# Altium PCB BB.PcbDoc (part 3 of 5)
Units mil, origin at the board's own origin, x right, y up, seen from the top; angles counter-clockwise.
Board outline 6700 x 3500 mil, 4 copper layers (Component Side, Ground Plane, Power Plane, Solder Side), stack 61.197 mil thick; 420 components, 358 nets, 1634 pads, 962 vias.
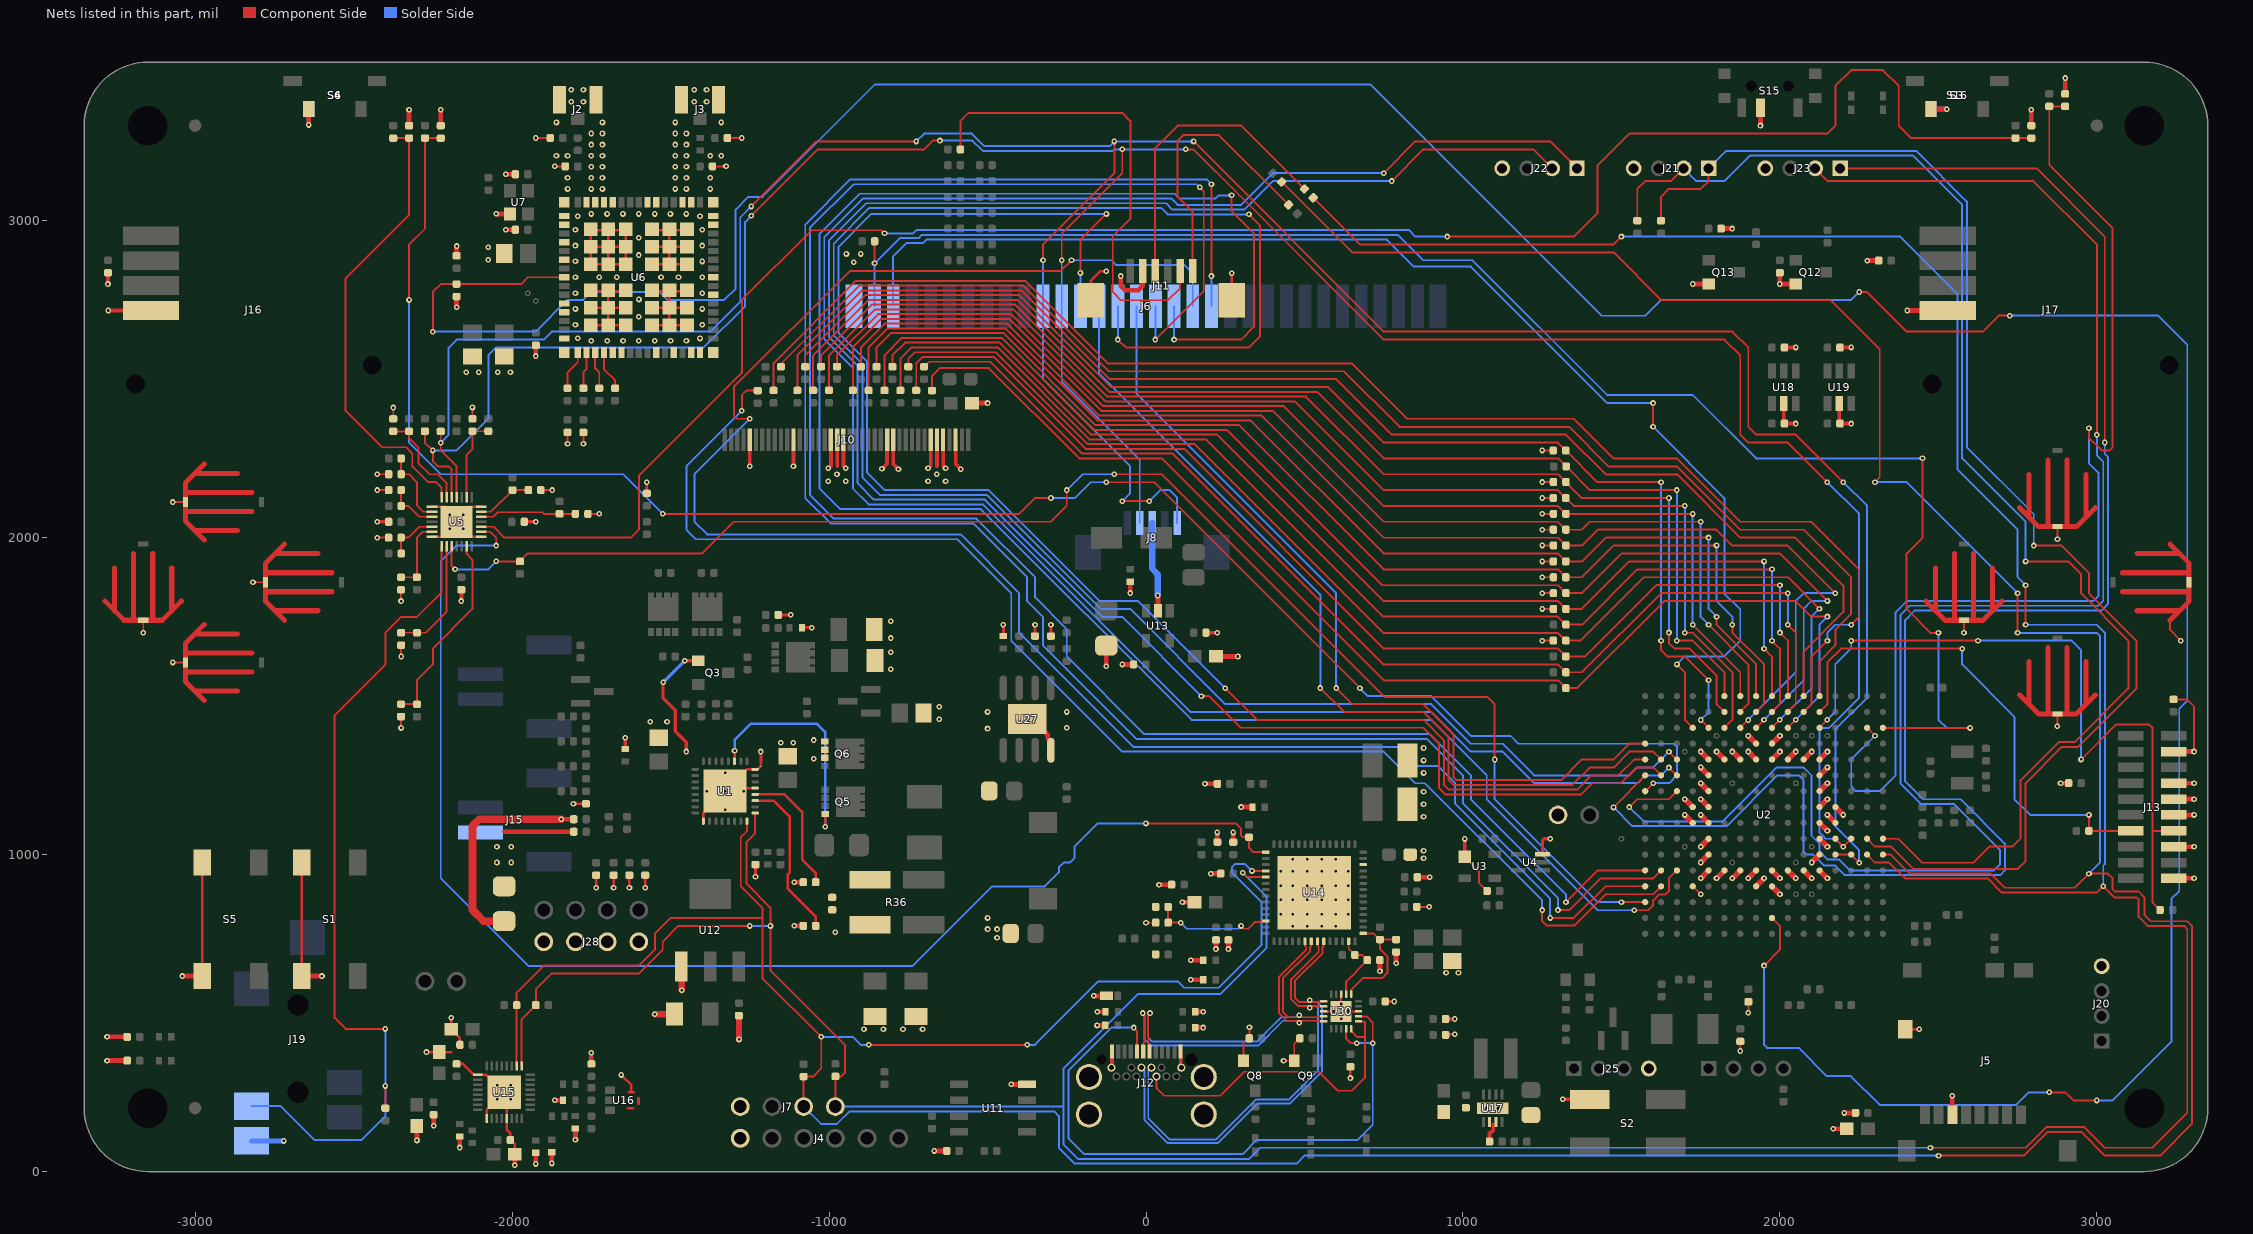
[diagram p5: the nets of this part, all layers, seen from the top]

## Via types
v1: diameter 18, hole 8, Component Side to Solder Side, tented both sides, 907 vias
v2: diameter 19.68, hole 8, Component Side to Solder Side, 32 vias
v3: diameter 24, hole 10, Component Side to Solder Side, tented both sides, 9 vias
v4: diameter 18, hole 8, Component Side to Solder Side, 6 vias
v5: diameter 19.68, hole 7.87, Component Side to Solder Side, 4 vias
v6: diameter 19.68, hole 8, Component Side to Solder Side, tented both sides, 4 vias

## Nets (pads, with @x,y where several pads share a name; then routed paths per layer and width w, separated by ;. In a path a pad name is that pad's centre, name@x,y a point inside that pad or via, vN(x,y) a via of type N, cw(c..) or ccw(c..) an arc to the next point about the centre after c; other vN are vias at no path point) (continued)
AUX_C_P: C98.1 R55.2 U14.54 | length 383.2
  Component Side w6: C98.1@70,835 R55.2@70,785.2 v1(109.37,785.2) ; v1(300,774.87) 308.94,765.94 321.88,765.94 343.12,787.18 359.06,787.18 362.91,791.02 U14.54@377.72,791.02
  Solder Side w6: v1(109.37,785.2) 128.47,766.1 291.23,766.1 v1(300,774.87)
AUX_N: C99.2
AUX_P: C98.2
BAT_SCL: J7.4 R56.2 R59.2 R124.1 U1.17 U2.B11 U14.47 U15.9 | length 14082
  Component Side w6: U15.9@-1970.06,332.84 -1970.06,479.94 R56.2@-1925,525 -1925,575 -1875,625 -1599.33,625 -1524.53,699.8 -1524.53,725.67 -1475.32,774.87 v1(-1250,774.87) ; U1.17@-1233.19,1131.1 -1233.19,1066.81 -1260,1040 -1260,907.62 -1185,832.62 v1(-1185,775) -1185,635 -950,400 -950,311.43 -961.24,300.2 R59.2@-980,300.2 J7.4@-980,205 ; v1(304.88,942.6) 318.66,928.82 U14.47@377.72,928.82 ; R124.1@527.84,3072.16 675,2925 1475,2925 v1(1500,2950) ; U2.B11@2275,1000 2300,975 2345,975 2395,925 2655,925 2700,880 3000,880 v1(3020,900) 3020.28,900 3055.28,865 3125,865 3131.46,858.54 3131.46,803.54 3160.02,774.98 3275,774.98 3285,764.98 3285,185 3175,75 3025.33,75 2960.33,140 2840.16,140 2775.16,75 v1(2475,75) ; v1(2775,1725) v1(2775,1850)
  Solder Side w6: v1(-1250,774.87) -1188.26,774.87 -1186.69,773.31 v1(-1185,775) ; J7.4@-980,205 -260,205 ; v1(304.88,942.6) 379.69,867.8 379.69,705.13 234.56,560 -25.68,560 -260,325.68 -260,205 ; v1(1500,2950) 2379.9,2950 2560,2769.9 2560,2215 2749.73,2025.27 2749.73,1875.27 v1(2775,1850) ; v1(2475,75) 360,75 325,40 -215,40 -260,85 -260,205 ; v1(2775,1725) 3000,1725 3025.2,1699.8 3025.2,970.31 3020,965.12 v1(3020,900)
BAT_SDA: J7.3 R57.2 R58.2 R125.1 U1.16 U2.A11 U14.46 U15.10 | length 14862.4
  Component Side w6: U15.10@-1985.81,332.84 R57.2@-1985.81,525 -1985.81,564.19 -1900,650 -1599.67,650 -1549.33,700.34 -1549.33,750.67 -1500,800 -1249.68,800 -1210,800 ; U1.16@-1258.78,1105.51 -1258.78,1074.42 -1278.46,1054.73 -1278.46,900.39 -1210,831.93 -1210,800 ; J7.3@-1080,205 R58.2@-1080,299.68 -1050.32,299.68 -1024.53,325.47 v1(-1024.53,425) -1210,610.47 -1210,800 ; v1(-875,399.68) v1(-375,399.68) ; v1(334.41,948.5) U14.46@377.72,948.5 ; R125.1@427.84,3122.16 650,2900 1475,2900 1625.98,2749.02 2160.98,2749.02 2315,2595 2315,2190 v1(2300,2175) ; U2.A11@2325,1000 2350,1000 2410,940 2665,940 2709.65,895.35 2930.26,895.35 v1(2974.9,940) 3035.02,940 3049.67,925.35 3049.67,890.74 3056.87,883.54 3131.46,883.54 3150,865 3150,810 3170.24,789.76 3285.21,789.76 3300,774.98 3300,150.63 3199.37,50 3025,50 2950,125 2845,125 2770,50 v1(2500.51,50) ; v1(2749.73,1699.66) v1(2749.73,1824.84)
  Solder Side w6: J7.3@-1080,205 -1025,150 -975,150 -935,190 -290,190 -275,175 -275,75 -225,25 475,25 500,50 v1(2500.51,50) ; v1(-1024.53,425) -925,425 -899.68,399.68 v1(-875,399.68) ; v1(-375,399.68) -350.39,399.68 -150.08,600 99.98,600 119.98,580 230,580 364.8,714.8 364.8,850.08 270.79,944.09 270.79,960.79 280,970 312.91,970 v1(334.41,948.5) ; v1(2300,2175) 2399.57,2175 v1(2749.73,1824.84) ; v1(2749.73,1699.66) 2999.33,1699.66 3010,1689 3010,975.1 v1(2974.9,940)
BGND: C18.1 C19.1 C22.1 C24.1 C26.1 C27.1 C35.1 C40.2 C41.2 J15.2 J28.1 J28.2 J28.3 J28.4 NT1.2 R33.1 R34.1 R38.2 R39.2 R40.2 R41.2 R67.2 U1.9 U1.21 U1.24 U1.33 | length 892.9
  Component Side w8: v1(-1806.38,1160.63) C24.1@-1766.85,1160.63 ; v1(-1734.8,895.35) R38.2@-1734.8,934.88 ; v1(-1679.8,895.35) R39.2@-1679.8,934.88 ; v1(-1629.8,895.35) R40.2@-1629.8,934.88 ; v1(-1579.8,895.35) R41.2@-1579.8,934.88 ; U1.9@-1396.57,1105.51 -1396.57,1131.1 U1.33@-1327.68,1200 U1.33@-1317.83,1209.84 ; U1.21@-1233.19,1209.84 U1.33@-1317.83,1209.84 ; U1.24@-1233.19,1268.9 -1258.78,1268.9 U1.33@-1317.83,1209.84 ; v1(-1232.07,930.12) R67.2@-1232.07,968.31 ; U1.24@-1225.83,1268.9 NT1.2@-1215,1279.72
  Component Side w10: C18.1@-1643.11,1333.27 v1(-1643.11,1368.7)
  Component Side w15: -2024.06,1072.05 R33.1@-1805.43,1072.05 ; v1(-1110,775.12) C41.2@-1081.5,775.12 ; v1(-1110,912.91) C40.2@-1081.5,912.91
  other v1: -2047.68,975 -2002.68,975 -2047.68,1025 -2002.68,1025 -1152.52,1352.91 -1112.52,1352.91 -1564.21,1419.06 -1511.06,1419.06 -651.85,1426.69 -651.85,1466.69 -805.16,1584.84 -805.16,1637.99 -805.16,1683.27 -805.16,1736.42
BT_EN: R75.1 U2.H15 U6.41 | length 11146.4
  Component Side w6: v1(-2250,2650) -2250,2775.1 -2225.1,2800 R75.1@-2175,2800 -1971.44,2800 -1950,2821.44 U6.41@-1835.24,2821.44 ; v1(1950,650) 2000,700 2000,775 U2.H15@1975,800 ; v1(2250.08,2775) 2274.67,2775 2399.66,2650 2639.83,2650 2690.02,2700.2 v1(2725,2700.2) ; v1(2850,250) 2900,250 2925.75,224.25 v1(3000,224.25)
  Solder Side w6: v1(-2250,2650) -1925.75,2650 -1825.75,2750 -1775,2750 -1750,2775 -1535,2775 -1510,2750 -1330.56,2750 -1295,2785.56 -1295,3035 -1255,3075 -1210,3075 -855,3430 707.99,3430 1437.99,2700 1575,2700 1625,2750 2225.08,2750 v1(2250.08,2775) ; v1(1950,650) 1950,399.76 1959.76,390 2059.67,390 2148.4,301.27 2223.81,301.27 2315.08,210 2745,210 2785,250 v1(2850,250) ; v1(2725,2700.2) 3193.43,2700.2 3285,2608.62 3285,1485 3260,1460 3260,885 3235,860 3235,409.84 3049.41,224.25 v1(3000,224.25)
BT_UART_CTSN: R72.2 U6.50 | length 126.1
  Component Side w6: R72.2@-1825,2471.44 -1825,2521.44 -1792.91,2553.52 U6.50@-1792.91,2584.23
BT_UART_RTSN: R73.2 U6.51 | length 116.8
  Component Side w6: R73.2@-1775,2471.44 -1775,2521.44 -1765.35,2531.08 U6.51@-1765.35,2584.23
BT_UART_RXD: R71.2 U6.52 | length 118.1
  Component Side w6: U6.52@-1737.8,2584.23 -1737.8,2534.23 -1725,2521.44 R71.2@-1725,2471.44
BT_UART_TXD: R70.2 U6.53 | length 127.4
  Component Side w6: U6.53@-1710.24,2584.23 -1710.24,2531.67 -1675,2496.44 R70.2@-1675,2471.44
BTN_A: C58.2 R118.1 U5.27 | length 321.3
  Component Side w6: C58.2@-2375,2335.32 R118.1@-2325,2335.32 -2325,2314.06 -2295.37,2284.43 -2295.37,2235.37 -2260,2200 -2235,2200 -2206.5,2171.5 U5.27@-2206.5,2127.76
BTN_B: C59.2 R119.1 U5.20 | length 177
  Component Side w6: U5.20@-2097.24,2081.5 -2067.11,2081.5 R119.1@-1998.6,2150 C59.2@-1948.6,2150
BTN_DOWN: C53.2 R112.1 U5.6 | length 230
  Component Side w6: C53.2@-2350.31,1875 R112.1@-2300.32,1875 -2300.32,1999.69 -2281.5,2018.5 U5.6@-2252.76,2018.5
BTN_LB: C92.2 R65.1 U2.T7 | length 5722.4
  Component Side w6: v1(-2325,2750) -2325,2925 -2274.69,2975.31 R65.1@-2274.69,3260.63 C92.2@-2225,3260.63 C92.2@-2224.69,3260.63 ; v1(-1525.04,2075.14) -399.94,2075.14 -350,2125.08 v1(-300,2125.08) ; v1(-125.08,2174.57) 25.84,2174.57 v1@675.2,1525.2 ; U2.T7@1575,1200 v1(1600.41,1225.41)
  Solder Side w6: v1(-2325,2750) -2325,2300 -2225,2200 -1649.9,2200 v1(-1525.04,2075.14) ; v1(-300,2125.08) -300.08,2125 -224.57,2125 -175,2174.57 v1(-125.08,2174.57) ; v1(675,1525) 700.13,1499.87 900.13,1499.87 1025.33,1374.67 1150,1374.67 1175,1349.67 1665,1349.67 1675.17,1339.5 1675.17,1250.36 1650.22,1225.41 v1(1600.41,1225.41)
BTN_LEFT: C54.2 R113.1 U5.2 | length 239.4
  Component Side w6: R113.1@-2350,2250 C54.2@-2350,2200 -2325,2200 -2300.32,2175.31 -2300.32,2101.81 -2280,2081.5 U5.2@-2252.76,2081.5
BTN_LT: C50.2 R109.1 U5.28 | length 1449.9
  Component Side w6: R109.1@-2375,3260.63 C50.2@-2325,3260.63 -2325,3017.97 -2525,2817.97 -2525,2400 -2410,2285 -2334.67,2285 -2315,2265.33 -2315,2225 -2265,2175 -2240,2175 -2222.24,2157.24 U5.28@-2222.24,2127.76
BTN_RB: C93.2 R66.1 U2.B3 | length 3445
  Component Side w6: U2.B3@2275,1400 v1(2300,1375) ; C93.2@2900,3360.63 R66.1@2849.67,3360.63 2849.67,3176.08 3049.67,2976.08 3049.67,2284.67 3040,2275 3015,2275 2975,2315 v1(2975,2345)
  Solder Side w6: v1(2300,1375) 2225.16,1300.16 2225.16,1214.84 2240,1200 2314.64,1200 2365,1250.36 2365,1764.37 2400.96,1800.33 2990,1800.33 3005,1815.33 3005,2205 2975,2235 v1(2975,2345)
BTN_RIGHT: C55.2 R114.1 U5.5 | length 161.7
  Component Side w6: R114.1@-2350.31,1950 C55.2@-2350.31,2000 -2327.76,2000 -2293.5,2034.25 U5.5@-2252.76,2034.25
BTN_RT: C51.2 R110.1 U5.17 | length 6097.6
  Component Side w6: U5.17@-2097.24,2034.25 -2058.31,2034.25 -2024.06,2000 -1624.9,2000 -1599.9,2025 -1599.9,2195.02 -1275,2519.92 -1275,2750 -1055.32,2969.69 -834.68,2969.69 v1(-825,2960) ; v1(950,2950) 1350,2950 1425,3025 1425,3175 1525,3275 2150.08,3275 2175,3299.92 2175,3425 2225,3475 2325,3475 2375,3425 2375,3300 2414.37,3260.63 R110.1@2743.11,3260.63 C51.2@2793.11,3260.63
  Solder Side w6: v1(-825,2960) -734.25,2960 -724.25,2970 171.59,2970 830,2970 850,2950 v1(950,2950)
BTN_SELECT: C56.2 R117.1 U5.13 | length 627.9
  Component Side w6: C56.2@-2350.31,1474.67 -2300.32,1474.67 -2300.32,1549.69 -2250,1600 -2250,1650 -2125,1775 -2125,1930 -2143.5,1948.5 U5.13@-2143.5,1972.24
BTN_START: C67.2 R115.1 U5.9 | length 376.7
  Component Side w6: C67.2@-2350,1700 R115.1@-2300,1700 -2273.11,1700 -2206.5,1766.61 U5.9@-2206.5,1972.24
BTN_UP: C52.2 R111.1 U5.3 | length 161.4
  Component Side w6: C52.2@-2350,2150 R111.1@-2350,2100 -2327.76,2100 -2293.5,2065.75 U5.3@-2252.76,2065.75
BTN_X: C60.2 R121.1 U5.23 | length 265.5
  Component Side w6: U5.23@-2143.5,2127.76 -2143.5,2260.75 -2125.06,2279.19 C60.2@-2125.06,2335.63 R121.1@-2075.06,2335.63
BTN_Y: C61.2 R122.1 U5.19 | length 305.2
  Component Side w6: U5.19@-2097.24,2065.75 -2059.11,2065.75 -2044.86,2080 -1905,2080 -1900,2075 R122.1@-1850,2075 C61.2@-1800,2075
C_CC1: C97.2 R116.2 U14.13 U30.12 | length 232.2
  Component Side w6: U30.12@631.06,560.12 631.06,599.49 C97.2@698.58,667.01 682.83,682.76 R116.2@659.21,682.76 639.53,702.44 U14.13@639.53,726.06
C_CC2: C28.2 R120.2 U14.15 U30.11 | length 377.8
  Component Side w6: U30.11@646.81,560.12 646.81,573.58 683.23,610 745,610 761.57,626.57 761.57,679.31 737.95,702.93 R120.2@737.95,731.97 ; U14.15@684.8,751.65 716.3,751.65 735.98,731.97 R120.2@737.95,731.97 ; C28.2@789.13,731.97 R120.2@737.95,731.97
C_USB_B_N: J12.B7 U14.9 U30.16 | length 1420
  Component Side w6: U30.16@560.2,536.5 545.89,536.5 544.01,534.62 522.54,534.62 v4(517.04,540.12) 511.54,534.62 483.92,534.62 470,548.54 470,601.99 556.94,688.93 556.94,707.91 560.79,711.75 U14.9@560.79,726.06
  Solder Side w6: J12.B7@-14.65,327.64 -4.9,317.89 -4.9,162.93 68.51,89.51 226.49,89.51 351.97,215 454.97,215 555,315.03 555,519.78 540.16,534.62 522.54,534.62 v4(517.04,540.12)
C_USB_B_P: J12.B6 U14.8 U30.17 | length 1380.3
  Component Side w6: U14.8@541.1,726.06 541.1,711.75 544.94,707.91 544.94,693.9 458,606.96 458,543.57 478.95,522.62 511.54,522.62 v4(517.04,517.12) 522.54,522.62 544.01,522.62 545.89,520.75 U30.17@560.2,520.75
  Solder Side w6: J12.B6@16.85,327.64 7.1,317.89 7.1,167.9 73.49,101.51 221.51,101.51 347,227 450,227 543,320 543,514.81 535.19,522.62 522.54,522.62 v4(517.04,517.12)
C_USB_T_N: J12.A7 U14.7 U30.19 | length 1116
  Component Side w5: v1@477.82,486.88 v1(483.82,492.88) 489.81,486.88 543.51,486.88 545.89,489.25 U30.19@560.2,489.25
  Component Side w6: J12.A7@10.94,379.21 10.94,403.96 7.1,407.8 7.1,494.5 v4(12.6,500) ; v1@477.82,486.88 449.42,486.88 432,504.3 432,609.26 517.57,694.83 517.57,707.91 521.42,711.75 U14.7@521.42,726.06
  Solder Side w5: 382.91,443.22 426.56,486.88 477.82,486.88 v1(483.82,492.88)
  Solder Side w6: v4(12.6,500) 7.1,494.5 7.1,422.9 20,410 349.69,410 379.69,440
C_USB_T_P: J12.A6 U14.6 U30.20 | length 1160.4
  Component Side w5: v1@477.81,475.88 v1(483.82,469.88) 489.82,475.88 543.51,475.88 545.89,473.5 U30.20@560.2,473.5
  Component Side w6: v4(-10.4,500) -4.9,494.5 -4.9,407.8 -8.74,403.96 J12.A6@-8.74,379.21 ; v1@477.81,475.88 443.45,475.88 420,499.33 420,614.23 505.57,699.8 505.57,707.91 501.73,711.75 U14.6@501.73,726.06
  Solder Side w5: 388.17,431.51 432.53,475.88 477.82,475.88 v1(483.82,469.88)
  Solder Side w6: v4(-10.4,500) -4.9,494.5 -4.9,417.93 11.51,401.51 15.03,398 354.66,398 358.17,401.51 388.17,431.51
CART_DETECT_N: J6.31 R44.1 U2.A3 | length 5128.7
  Component Side w6: v1(-856.3,2865.63) R44.1@-856.3,2935 ; U2.A3@2325,1400 2325.67,1400.67 2326.67,1399.67 v1(2600,1399.67) ; v1(2449.9,2250) 2449.9,1999.57 2399.66,1949.33 2399.66,1774.9 2474.57,1700 2475.02,1700.46 2475.48,1700 2475.73,1700.24 2476.3,1699.66 v1(2500.02,1699.66)
  Solder Side w6: J6.31@-856.4,2730 v1@-856.4,2865.63 ; v1(-856.3,2865.63) -776.93,2945 -716.9,2945 -706.9,2955 795,2955 875,2875 1030,2875 1455,2450 1725,2450 1925,2250 v1(2449.9,2250) ; v1(2500.02,1699.66) 2500.02,1425.65 2526,1399.67 v1(2600,1399.67)
CART_DONE_N: J6.15 U2.P12 | length 6367.6
  Component Side w6: v1(88.48,2625) 300,2625 340.39,2665.39 340.39,2959.92 270,3030.32 v1(270,3080) ; v1(1540,824.49) 1584.49,824.49 1600,840 1600,855 1619.61,874.61 1639.51,874.61 1649.59,884.69 1649.59,924.59 U2.P12@1675,950
  Solder Side w6: v1(88.48,2625) J6.15@88.48,2730 ; v1(270,3080) 230,3080 220,3070 105,3070 90,3085 -902.71,3085 -1030.2,2957.51 -1030.2,2155.2 -965,2090 -521.36,2090 143.88,1424.76 900.24,1424.76 1075,1250 1075,1175 1425.51,824.49 v1(1540,824.49)
CART_INIT_N: J6.13 U2.R12 | length 6055.1
  Component Side w6: v1(206.59,2825.2) v1(206.59,3115) ; v1(1299.63,825) 1335.14,825 1435.14,925 1600,925 U2.R12@1625,950
  Solder Side w6: J6.13@206.59,2730 v1(206.59,2825.2) ; v1(206.59,3115) 191.59,3130 -932.73,3130 -1075.2,2987.53 -1075.2,2124.94 -995.26,2045 -545.08,2045 -375,1874.92 -375,1800 -325,1750 -325,1660 -30,1365 885,1365 1000,1250 1000,1162.7 1299.63,863.07 v1(1299.63,825)
CART_PGM_N: J6.16 U2.T12 | length 6141.9
  Component Side w6: v1(29.43,2625) 182.2,2777.77 182.2,3092.78 v1(169.98,3105) ; v1(1325,850.08) 1424.92,950 U2.T12@1575,950
  Solder Side w6: v1(29.43,2625) J6.16@29.43,2730 ; v1(169.98,3105) 159.98,3115 -922.75,3115 -1060.2,2977.55 -1060.2,2135.49 -984.7,2060 -535,2060 -350.08,1875.08 -350.08,1811.42 -250,1711.34 -250,1625.22 -4.78,1380 455,1380 895,1380 1025,1250 1025,1175 1325,875 v1(1325,850.08)
CART_REQ_N: J6.30 U2.N3 | length 4096.1
  Component Side w6: v1(1599.8,2349.61) v1@1599.8,2424.06 ; v1(1599.8,2424.67) v1@1600.41,2424.06 ; v1@1674.8,1600.34 1700,1575.14 1700,1425 U2.N3@1725,1400
  Solder Side w6: J6.30@-798.59,2740 -798.59,2886.41 -755,2930 -703.33,2930 -693.33,2940 760,2940 845,2855 1024.8,2855 1455.14,2424.67 v1(1599.8,2424.67) ; v1(1599.8,2349.61) 1825,2124.41 1825,1823.4 1874.76,1773.64 1874.76,1675 1824.76,1625 1700.17,1625 v1(1675.17,1600)
CART_RST_N: J6.14 U2.T13 | length 5981.9
  Component Side w6: v1(-1250,2375) -1290.28,2375 -1300,2384.72 -1300,2475.36 -933.82,2841.54 -268.46,2841.54 v1(-235,2875) ; v1(1275,800.12) 1350.26,800.12 1450.14,900 U2.T13@1575,900
  Solder Side w6: v1(-1250,2375) -1425,2200 -1425,2050 -1385,2010 -584.89,2010 -400.08,1825.19 -400.08,1700.08 -40,1340 465,1340 795.24,1340 855.51,1279.72 920.28,1279.72 975,1225 975,1160.31 1275,860.31 v1(1275,800.12) ; v1(-235,2875) -108.39,2875 -93.39,2860 121.75,2860 147.54,2834.21 J6.14@147.54,2730
CC1: J12.A5 U30.4 U30.7 | length 2069.9
  Component Side w6: v1(-38.74,454.21) -28.43,443.9 J12.A5@-28.43,379.21 ; U30.4@631.06,449.88 631.06,419.25 645.32,405 v1(665.32,405) ; U30.7@670.43,489.25 696.06,489.25 715.32,470 v1(715.32,405)
  Solder Side w6: v1(-38.74,454.21) -109.06,454.21 -244.06,319.21 -244.06,104.06 -195,55 305,55 350,100 668.05,100 715.32,147.27 v1(715.32,405) v1(665.32,405)
CC2: J12.B5 U30.5 U30.6 | length 1030.4
  Component Side w6: J12.B5@32.6,300.08 32.6,264.92 58.31,239.21 234.53,239.21 ; 234.49,239.17 234.53,239.21 ; 235,239.21 234.53,239.21 ; U30.5@646.81,449.88 646.81,443.5 665.32,425 690.32,425 ; U30.6@670.43,473.5 686.81,473.5 690.32,470 690.32,425 ; 234.53,239.21 310.32,315 545.32,315 605.32,255 649.65,255 690.32,295.67 690.32,425
DP_HPD: U14.26
EMU0: J13.13 R181.2 U2.E2 | length 1584.1
  Component Side w6: U2.E2@2125,1450 2150,1475 2150,1607.13 2192.87,1650 v1@2574.85,1650 ; R181.2@2975,1074.67 2975.33,1075 3099.67,1075 J13.13@3100,1074.67 ; R181.2@2975,1075 v1@2975,1125
  Solder Side w6: v1(2574.85,1649.67) 2574.85,1600.15 2740,1435 2740,1175 2790,1125 v1(2974.9,1125)
EMU1: J13.14 R182.2 U2.E3 | length 2326.4
  Component Side w6: U2.E3@2124.67,1400 v1(2149.67,1425) ; v1(2225,1675) v1(2625,1675) ; v1@2950.33,1300 3060.33,1410 3165.33,1410 3175,1400.33 3175,1074.67 ; R182.2@3199.37,825 3175,849.37 3175,1074.67 ; J13.14@3242.91,1074.67 3175,1074.67
  Solder Side w6: v1(2149.67,1425) 2174.67,1450 2174.67,1600 2225,1650.33 v1(2225,1675) ; v1(2625,1675) 2920.07,1675 2950.03,1645.03 v1(2950.03,1300.24)
GND: C8.1 C9.1 C10.1 C11.1 C12.1 C13.1 C14.1 C23.1 C28.1 C29.1 C30.1 C31.1 C32.1 C36.2 C37.2 C42.1 C45.1 C46.1 C47.1 C48.1 C49.1 C50.1 C51.1 C52.1 C53.1 C54.1 C55.1 C56.1 C57.1 C58.1 C59.1 C60.1 C61.1 C62.1 C67.1 C68.1 C69.2 C70.2 C71.1 C72.1 C73.1 C74.1 C75.1 C76.1 C77.1 C78.1 C79.1 C80.1 C82.1 C83.1 C84.1 C85.1 C86.1 C87.1 C88.1 C89.1 C90.1 C91.1 C92.1 C93.1 C96.1 C97.1 C100.1 C101.1 C102.1 C103.1 C104.1 C105.1 C107.1 C109.1 C110.1 C111.1 C112.1 C113.1 C114.1 C115.1 C121.1 C122.1 C123.1 C124.1 C125.1 C126.1 D7.2 J1.2 J2.1 J2.2 J3.1 J3.2 J4.1 J5.6 J5.9 J6.32 J7.1 J8.3 J10.3 J10.5 J10.6 J10.7 J10.13 J10.14 J10.21 J10.22 J10.23 J10.29 J10.36 J11.2 J11.MP1 J11.MP2 J12.A1 J12.A12 J12.B1 J12.B12 J12.M1 J12.M2 J12.M3 J12.M4 J13.4 J13.8 J13.10 J13.12 J13.16 J13.20 J16.4 J17.4 J19.1 J20.4 J21.4 J22.4 J23.4 J25.4 L2.1 L3.1 L5.1 L6.1 NT1.1 Q3.1 Q6.1 Q6.2 Q6.3 Q8.2 Q9.2 Q12.2 Q13.2 R6.2 R7.2 R8.2 R9.2 R10.2 R11.2 R12.2 R13.2 R14.2 R15.2 R16.2 R27.2 R34.2 R35.1 R45.1 R52.2 R55.1 R60.1 R75.2 R76.2 R77.1 R78.1 R105.2 R106.2 R107.2 R129.2 R131.2 R132.2 R137.1 R148.1 R149.1 R154.2 R156.1 R159.2 R160.2 R161.2 R162.2 R164.2 R166.2 R168.2 R170.2 R183.2 S1.3 S1.4 S2.3 S3.2 S4.2 S5.3 S5.4 S6.1 S7.2 S8.2 S9.2 S10.2 S11.2 S12.2 S13.2 S14.2 S15.2 S16.1 U2.D8 U2.D9 U2.E5 U2.E6 U2.E7 U2.E8 U2.E9 U2.E10 U2.E11 U2.E12 U2.F5 U2.F12 U2.G5 U2.G12 U2.H4 U2.H5 U2.H12 U2.H13 U2.J4 U2.J5 U2.J12 U2.J13 U2.K5 U2.K12 U2.L5 U2.L12 U2.M5 U2.M6 U2.M7 U2.M8 U2.M9 U2.M10 U2.M11 U2.M12 U2.N8 U2.N9 U2.N13 U3.1 U4.3 U5.1 U5.7 U5.15 U5.21 U5.29 U6.1 U6.7 U6.9 U6.15 U6.16 U6.17 U6.19 U6.20 U6.23 U6.24 U6.28 U6.29 U6.30 U6.31 U6.33 U6.34 U6.35 U6.37 U6.39 U6.44 U6.45 U6.48 U6.49 U6.54 U6.55 U6.59 U6.61 U6.63 U6.64 U6.G1 U6.G2 U6.G3 U6.G4 U6.G5 U6.G6 U6.G7 U6.G8 U6.G9 U6.G10 U6.G11 U6.G12 U6.G13 U6.G14 U6.G15 U6.G16 U6.G17 U6.G18 U6.G19 U6.G20 U6.G21 U6.G22 U6.G23 U6.G24 U6.G25 U6.G26 U6.G27 U6.G28 U6.G29 U6.G30 U6.G31 U6.G32 U6.G33 U6.G34 U6.G35 U6.G36 U7.2 U11.4 U12.1 U13.2 U14.57 U15.17 U15.25 U15.29 U15.33 U16.4 U17.2 U17.3 U17.9 U18.2 U19.2 U27.4 U27.9 U30.8 U30.13 U30.18 U30.21@615.32,505 | length 14524.4
  Component Side w6: v1(-3163.78,1699.5) S12.2@-3163.78,1739.25 ; v1(-3070.58,1606.3) S10.2@-3030.83,1606.3 ; v1(-3070.58,2112.21) S14.2@-3030.83,2112.21 ; v1(-2817.63,1859.25) S13.2@-2777.87,1859.25 ; v1(-2425.32,2000) C55.1@-2389.68,2000 ; v1(-2425,2150) C52.1@-2389.37,2150 ; v1(-2425,2200) C54.1@-2389.37,2200 ; C58.1@-2375,2374.69 v1(-2375,2410.32) ; v1(-2350.31,1399.67) C56.1@-2350.31,1435.3 ; v1(-2350.31,1800) C53.1@-2350.31,1835.63 ; v1(-2350,1625) C67.1@-2350,1660.63 ; C60.1@-2125.06,2375 v1(-2125.06,2410.63) ; v1(-1925,3260.81) L3.1@-1879.37,3260.81 ; C59.1@-1909.23,2150 v1(-1873.6,2150) ; v1(-1865,3171.44) L2.1@-1832.28,3171.44 ; v1(-1825,2296.44) R77.1@-1825,2332.07 ; v1(-1775,2296.44) R78.1@-1775,2332.07 ; C61.1@-1760.63,2075 v1(-1725,2075) ; L5.1@-1367.72,3171.44 v1(-1325,3171.44) ; L6.1@-1320.63,3260.81 v1(-1275,3260.81) ; v1(0,784.96) 30.39,784.96 R55.1@30.63,785.2 ; Q8.2@307.6,349.49 307.6,402.72 326.38,421.5 v1(326.38,455.1) ; v1(434,349.49) Q9.2@467.6,349.49 467.6,402.72 R159.2@486.38,421.5 ; U30.18@560.2,505 v1(591.69,505) v1(615.32,505) ; U30.13@615.32,560.12 v1(615.32,528.62) v1(615.32,505) ; U30.8@670.43,505 v1(638.94,505) v1(615.32,505) ; R164.2@854.37,835 v1(893.74,835) ; U3.1@1005.51,992.54 1050,948.05 1050,910.94 R52.2@1075.94,885 ; v1(1250,1675) R16.2@1285.2,1675 ; v1(1250,1925) R12.2@1285.2,1925 ; v1(1250,2025) R10.2@1285.2,2025 ; v1(1250,2125) R8.2@1285.2,2125 ; v1(1250,2275) R6.2@1285.2,2275 ; v1(1250.43,1775) R15.2@1285.63,1775 ; v1(1250.43,1824.84) R14.2@1285.63,1824.84 ; v1(1250.43,1875) R13.2@1285.63,1875 ; v1(1250.43,1975.43) R11.2@1285.63,1975.43 ; v1(1250.43,2075.14) R9.2@1285.63,2075.14 ; v1(1250.43,2175.33) R7.2@1285.63,2175.33 ; U2.N13@1725,900 v1(1749.9,875.1) ; v1(1875,380.32) R60.1@1875,410.63 ; v1(1900.41,500.75) C86.1@1900.41,535.63 ; v1(2580.51,1699.5) S8.2@2580.51,1739.25 ; v1(2875.33,1405) 2875.33,1443.52 S9.2@2875.79,1443.98 ; v1(2875.79,1994.77) S7.2@2875.79,2034.53 ; 3231.06,1739.25 3231.06,1708.94 v1(3265,1675) ; R183.2@3242.09,1489.7 3284.27,1489.7 3306.75,1467.23 v1(3306.75,1325)
  Component Side w8: S5.4@-2977.17,616.73 S5.3@-2977.17,975 ; S1.4@-2663.58,616.73 S1.3@-2663.58,975 ; v1(-2270,376.93) C79.1@-2230,376.93 -2191.93,376.93 ; U5.7@-2252.76,2002.76 U5.29@-2210,2002.76 ; U5.1@-2252.76,2097.24 U5.29@-2210,2097.24 ; v1(-2191.93,485) C73.1@-2191.93,448.86 -2165,421.93 -2165,400.63 C78.1@-2164.37,400 ; C80.1@-2175,339.37 -2154.37,339.37 -2120.28,305.28 U15.17@-2107.85,305.28 -2081.65,305.28 U15.33@-2071.36,294.98 ; U5.29@-2140,2002.76 U5.15@-2097.24,2002.76 ; U5.29@-2140,2097.24 U5.21@-2097.24,2097.24 ; U15.25@-2080.3,167.48 -2080.3,193.68 U15.33@-2070,203.98 ; U15.33@-2017.3,200.46 U15.29@-2017.3,167.48 -2017.3,132.3 -2005.49,120.49 -2005.49,100.77 -1991.71,86.99 C77.1@-1991.71,55 ; U6.G33@-1751.57,2777.09 U6.G27@-1696.46,2777.09 ; U6.G34@-1751.57,2862.78 U6.G35@-1751.57,2917.89 U6.G36@-1751.57,2970 ; U6.G36@-1751.57,2973.01 U6.G36@-1751.57,2970 ; U6.G31@-1748.56,2669.86 U6.G25@-1696.46,2669.86 ; U6.G32@-1748.56,2724.98 U6.G26@-1696.46,2724.98 ; U6.G34@-1748.56,2862.78 U6.G28@-1696.46,2862.78 ; U6.G35@-1748.56,2917.89 U6.G29@-1696.46,2917.89 ; v1(-1655.93,304.71) -1623.86,272.65 -1623.86,250 ; -1648.8,216.94 -1648.8,235.13 ; U6.G20@-1644.35,2724.98 U6.G26@-1696.46,2724.98 ; U6.G23@-1644.35,2917.89 U6.G29@-1696.46,2917.89 ; U6.G19@-1641.34,2669.86 U6.G25@-1696.46,2669.86 ; U6.G21@-1641.34,2777.09 U6.G27@-1696.46,2777.09 ; U6.G24@-1641.34,2973.01 U6.G24@-1641.34,2970 ; -1635.59,199.77 -1617.47,199.77 ; -1631.86,250 -1623.86,250 ; -1615.87,250 -1623.86,250 ; -1601.11,213.6 -1601.11,231.28 ; R105.2@-1575,2139.37 v1(-1575,2175) ; U6.G15@-1558.66,2777.09 U6.G9@-1503.54,2777.09 ; U6.G18@-1558.66,2970 U6.G12@-1503.54,2970 ; U6.G13@-1555.65,2669.86 U6.G7@-1503.54,2669.86 ; U6.G14@-1555.65,2724.98 U6.G8@-1503.54,2724.98 ; U6.G16@-1555.65,2862.78 U6.G10@-1503.54,2862.78 ; U6.G17@-1555.65,2917.89 U6.G11@-1503.54,2917.89 ; U6.G2@-1451.44,2724.98 U6.G8@-1503.54,2724.98 ; U6.G5@-1451.44,2917.89 U6.G11@-1503.54,2917.89 ; U6.G1@-1448.43,2669.86 U6.G7@-1503.54,2669.86 ; U6.G3@-1448.43,2777.09 U6.G9@-1503.54,2777.09 ; U6.G4@-1448.43,2862.78 U6.G10@-1503.54,2862.78 ; U6.G6@-1448.43,2970 U6.G12@-1503.54,2970 ; J11.MP1@-174.09,2749.02 -174.09,2810.91 -145,2840 v1(-125.08,2840) ; J11.MP2@270.79,2749.02 v1(270.79,2834.21) ; v1(645,295) C126.1@645,330.63 ; C125.1@754.68,536.5 v1(783.5,536.5) ; R161.2@945,432.88 v1(973.82,432.88) ; R162.2@945,481.28 v1(973.82,481.28) ; J5.9@2395,449.21 v1(2439.33,449.21) ; U6.G36@-1751.57,2970 U6.G30@-1696.46,2970 ; U6.G25@-1696.46,2669.86 U6.G26@-1696.46,2724.98 ; U6.G26@-1696.46,2724.98 U6.G27@-1696.46,2777.09 ; U6.G28@-1696.46,2862.78 U6.G29@-1696.46,2917.89 ; U6.G28@-1696.46,2862.78 U6.G22@-1641.34,2862.78 U6.G23@-1641.34,2917.89 U6.G24@-1641.34,2970 ; U6.G29@-1696.46,2917.89 U6.G30@-1696.46,2970 ; U6.G30@-1696.46,2970 U6.G24@-1641.34,2970 ; U6.G7@-1503.54,2669.86 U6.G8@-1503.54,2724.98 ; U6.G8@-1503.54,2724.98 U6.G9@-1503.54,2777.09 ; U6.G10@-1503.54,2862.78 U6.G11@-1503.54,2917.89 ; U6.G11@-1503.54,2917.89 U6.G12@-1503.54,2970